# Altium PCB PROC114E3_BRD.PcbDoc (part 12 of 18)
Units mm, origin at the board's own origin, x right, y up, seen from the top; angles counter-clockwise.
Board outline 85 x 155.18 mm, 10 copper layers (TOP, L02_GND1, L03_SIG1, L04_GND2, L05_PWR1, L06_PWR2, L07_GND3, L08_SIG2, L09_GND4, BOTTOM), stack 1.134 mm thick; 1389 components, 1010 nets, 5137 pads, 3263 vias.
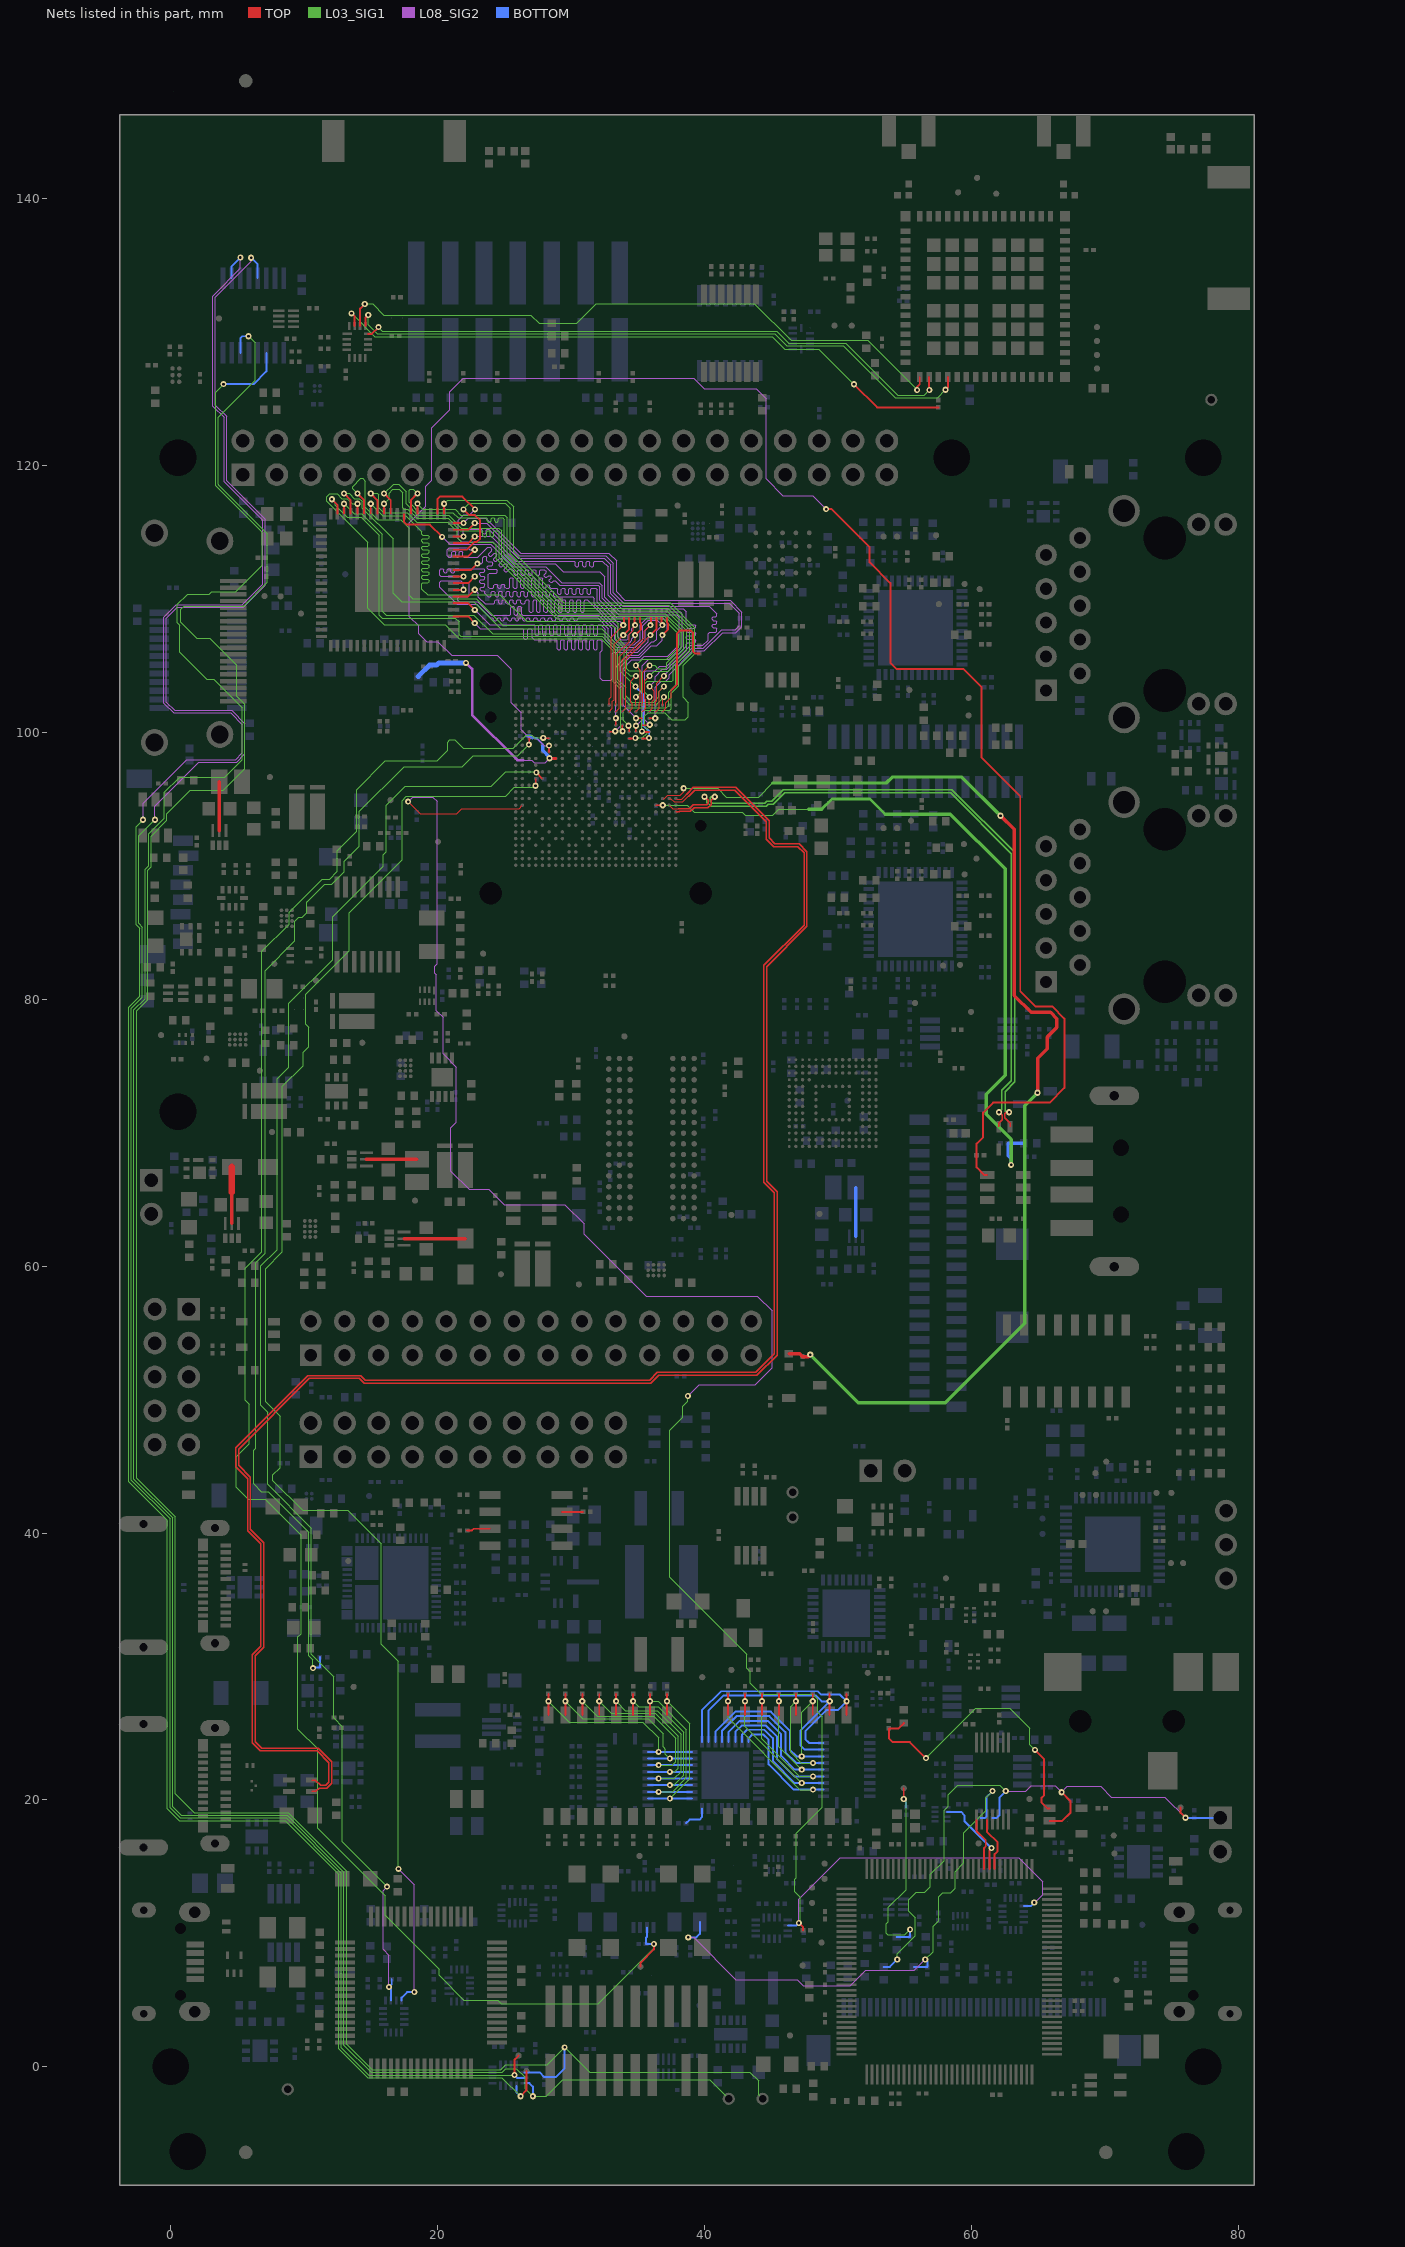
[diagram p20: the nets of this part, all layers, seen from the top]

## Via types
v1: diameter 0.457, hole 0.203, TOP to BOTTOM, 3263 vias

## Nets (pads, with @x,y where several pads share a name; then routed paths per layer and width w, separated by ;. In a path a pad name is that pad's centre, name@x,y a point inside that pad or via, vN(x,y) a via of type N, cw(c..) or ccw(c..) an arc to the next point about the centre after c; other vN are vias at no path point) (continued)
SOC_TRST#:  | length 155.1
  TOP w0.081: v1(17.801,94.811) 18.697,93.914 21.452,93.914 21.832,94.294 26.109,94.294 26.36,94.545
  TOP w0.147: v1(47.08,10.78) 47.384,10.475 47.384,10.221
  L03_SIG1 w0.091: v1(38.76,50.267) 38.76,49.891 38.368,49.498 38.368,48.664 37.408,47.704 37.408,36.683 43.169,30.922 43.169,29.855 43.438,29.586 43.438,28.749 44.257,27.93 48.117,27.93 48.504,27.543 48.504,26.578 48.844,26.237 48.844,19.456 46.873,17.485 46.873,14.18 46.763,14.069 46.763,13.129 47.182,12.71 47.182,10.881 v1(47.08,10.78)
  L08_SIG2 w0.091: v1(17.801,94.811) 18.137,95.147 19.655,95.147 19.976,94.826 19.976,82.659 19.806,82.489 19.806,81.945 19.906,81.845 19.906,79.159 20.425,78.64 20.425,75.917 21.419,74.923 21.419,70.796 20.987,70.364 20.987,67.129 22.367,65.748 23.852,65.748 24.984,64.617 29.549,64.617 30.988,63.178 30.988,62.402 35.638,57.752 43.975,57.752 45.085,56.642 45.085,52.4 43.815,51.13 39.624,51.13 v1(38.76,50.267) ; v1(47.08,10.78) 47.087,10.787 47.087,12.563 50.178,15.654 63.561,15.654 65.358,13.857 65.358,12.91 64.752,12.304 v1(64.721,12.304)
  BOTTOM w0.147: 46.248,10.598 46.899,10.598 v1(47.08,10.78) ; 63.934,12.04 64.457,12.04 v1(64.721,12.304)
SOC_UART0_RX_3V3:  | length 113.1
  TOP w0.102: v1(27.345,96.002) 27.361,96.017 27.361,96.545
  L03_SIG1 w0.091: v1(17.069,14.834) 17.069,30.378 15.773,31.674 15.773,39.199 13.281,41.692 9.891,41.692 7.659,43.923 7.659,44.359 8.202,44.902 8.202,48.77 7.14,49.832 7.14,59.822 8.38,61.062 8.38,73.471 9.932,75.023 9.932,76.043 10.339,76.45 10.339,77.901 10.124,78.117 10.124,80.382 13.367,83.625 13.367,86.472 17.349,90.453 17.349,94.89 17.673,95.214 25.099,95.214 25.764,95.88 27.223,95.88 v1(27.345,96.002)
  L08_SIG2 w0.091: v1(17.069,14.834) 18.264,13.639 v1(18.264,5.599)
  BOTTOM w0.147: 17.302,4.97 17.302,5.183 17.718,5.599 v1(18.264,5.599)
SOC_UART0_TX_3V3:  | length 111.4
  TOP w0.102: v1(27.403,97.003) 27.86,96.545
  L03_SIG1 w0.091: v1(16.219,13.498) 12.863,16.854 12.863,25.492 12.211,26.144 12.211,29.242 10.551,30.902 10.551,40.376 7.258,43.669 7.258,49.06 6.754,49.564 6.754,60.017 7.984,61.248 7.984,74.027 8.847,74.89 8.847,79.695 12.13,82.977 12.13,86.19 15.919,89.979 15.919,90.819 16.163,91.063 16.163,94.524 17.599,95.96 24.031,95.96 25.111,97.04 27.365,97.04 v1(27.403,97.003)
  L08_SIG2 w0.091: v1(16.219,13.498) 15.914,13.193 15.914,8.799 16.361,8.352 v1(16.361,5.975)
  BOTTOM w0.147: 16.502,4.97 16.502,5.833 v1(16.361,5.975) 16.569,6.183 16.569,6.572
SOC_UART1_CTS:  | length 184.5
  TOP w0.147: v1(26.227,-2.213) 26.664,-1.775 26.664,-0.323
  L03_SIG1 w0.091: v1(-2.069,93.457) -2.589,92.936 -2.589,85.599 -2.309,85.319 -2.309,80.23 -3.136,79.403 -3.136,43.851 -0.24,40.955 -0.24,19.333 0.643,18.45 8.574,18.45 12.603,14.421 12.603,1.339 14.76,-0.818 14.92,-0.818 24.832,-0.818 v1(26.227,-2.213)
  L08_SIG2 w0.091: v1(-2.069,93.457) -2.069,94.701 1.2,97.971 4.864,97.971 5.372,98.479 5.372,100.583 4.499,101.456 0.218,101.456 -0.511,102.186 -0.511,108.628 -0.398,108.741 ; -0.398,108.741 0.432,109.571 5.375,109.571 6.91,111.106 6.91,115.889 4.005,118.794 4.005,123.605 3.152,124.459 3.152,132.702 3.264,132.815 ; 3.265,132.815 5.221,134.771 v1(5.221,135.587)
  BOTTOM w0.147: 4.571,134.044 4.571,134.937 v1(5.221,135.587) ; 25.912,-1.425 25.912,-1.898 v1(26.227,-2.213)
SOC_UART1_CTS_BT:  | length 45.5
  TOP w0.147: 14.794,129.871 15.076,129.871 v1(15.578,130.373) ; 56.841,126.629 56.841,125.733 56.859,125.715 v1(56.859,125.664)
  L03_SIG1 w0.091: v1(15.578,130.373) 15.871,130.08 45.432,130.08 46.334,129.178 50.609,129.178 54.499,125.288 56.483,125.288 v1(56.859,125.664)
SOC_UART1_RTS:  | length 182.3
  TOP w0.147: v1(25.77,-0.625) 25.77,0.526 26.074,0.831
  L03_SIG1 w0.091: v1(-1.18,93.457) -2.396,92.24 -2.396,85.682 -2.116,85.401 -2.116,80.15 -2.943,79.323 -2.943,43.962 -0.047,41.066 -0.047,19.413 0.723,18.643 8.654,18.643 12.797,14.501 12.797,1.419 14.84,-0.625 v1(25.77,-0.625)
  L08_SIG2 w0.091: v1(-1.18,93.457) -1.18,94.481 2.117,97.778 4.944,97.778 5.565,98.399 5.565,100.663 4.579,101.65 0.298,101.65 -0.318,102.266 -0.318,108.548 0.512,109.377 5.455,109.377 7.103,111.026 7.103,115.969 4.198,118.874 4.198,123.685 3.345,124.539 3.345,132.622 6.035,135.312 v1(6.035,135.571)
  BOTTOM w0.147: v1(6.035,135.571) 6.521,135.085 6.521,134.044 ; v1(25.77,-0.625) 25.97,-0.825 26.512,-0.825
SOC_UART1_RTS_BT:  | length 48.1
  TOP w0.147: 14.194,130.471 14.194,131.767 v1(14.543,132.116) ; v1(55.945,125.664) 55.945,125.904 56.141,126.1 56.141,126.629
  L03_SIG1 w0.091: v1(14.543,132.116) 15.128,132.116 15.966,131.277 26.985,131.277 27.608,130.654 30.425,130.654 31.912,132.141 43.734,132.141 46.491,129.383 52.226,129.383 v1(55.945,125.664)
SOC_UART1_RX_BT:  | length 48.4
  TOP w0.147: 14.594,130.471 14.594,131.061 v1(14.811,131.277) ; v1(58.064,125.679) 58.24,125.855 58.24,126.629
  L03_SIG1 w0.091: v1(14.811,131.277) 14.811,130.55 15.495,129.866 45.285,129.866 46.178,128.973 50.424,128.973 54.301,125.095 57.48,125.095 v1(58.064,125.679)
SOC_UART1_RXD:  | length 188.3
  L03_SIG1 w0.091: v1(3.962,126.103) 3.364,125.504 3.364,118.502 3.389,118.478 3.901,117.964 6.858,115.008 6.858,112.522 4.877,110.541 3.079,110.541 2.901,110.363 1.27,110.363 0.508,109.601 0.508,108.228 0.685,108.051 0.685,105.995 2.709,103.971 3.217,103.971 5.355,101.833 5.355,97.938 4.064,96.647 0.668,96.647 -0.475,95.504 -0.475,93.586 -1.644,92.416 -1.644,90.004 -1.913,89.736 -1.913,80.049 -2.75,79.212 -2.75,44.042 0.146,41.146 0.146,19.493 0.803,18.836 8.734,18.836 12.99,14.581 12.99,1.622 15.029,-0.418 24.835,-0.418 25.1,-0.152 25.91,-0.152 26.563,-0.805 26.563,-1.634 v1(27.141,-2.213) 28.144,-2.213 29.366,-0.991 40.41,-0.991 41.822,-2.403
  BOTTOM w0.147: v1(3.962,126.103) 6.214,126.103 7.171,127.06 7.171,128.444 ; 26.512,-1.225 26.878,-1.225 27.141,-1.488 v1(27.141,-2.213)
SOC_UART1_TX_BT:  | length 47.9
  TOP w0.147: v1(13.559,131.411) 13.794,131.175 13.794,130.471 ; v1(51.209,126.092) 52.94,124.361 57.54,124.361
  L03_SIG1 w0.091: v1(13.559,131.411) 15.313,129.656 45.095,129.656 46.03,128.721 48.58,128.721 v1(51.209,126.092)
SOC_UART1_TXD:  | length 195.8
  L03_SIG1 w0.091: v1(5.839,129.692) 6.324,129.207 6.324,126.378 3.557,123.611 3.557,118.582 3.582,118.558 7.239,114.9 7.239,111.252 5.461,109.474 1.016,109.474 0.762,109.22 0.762,108.247 1.948,107.061 2.921,107.061 4.953,105.029 4.953,102.724 5.548,102.129 5.548,97.27 3.947,95.668 1.484,95.668 -0.282,93.902 -0.282,93.4 -1.451,92.23 -1.451,89.924 -1.72,89.656 -1.72,79.969 -2.557,79.132 -2.557,44.122 0.339,41.227 0.339,20.471 1.78,19.029 8.814,19.029 13.183,14.661 13.183,1.702 15.109,-0.225 24.755,-0.225 25.119,0.139 28.21,0.139 v1(29.529,1.458) 31.398,-0.411 43.41,-0.411 44.057,-1.058 44.057,-2.098 44.362,-2.403
  BOTTOM w0.147: 5.221,128.444 5.221,129.545 5.369,129.692 v1(5.839,129.692) ; 26.512,-0.425 27.653,-0.425 28.005,-0.777 28.869,-0.777 29.529,-0.117 v1(29.529,1.458)
SOC_USB0_DM:  | length 128.6
  TOP w0.081: 37.86,95.045 37.919,94.987 38.301,94.987 38.654,95.34 38.654,95.358 38.668,95.372
  TOP w0.107: 10.581,20.633 10.879,20.633 11.125,20.879 11.713,20.879 12.079,21.245 12.079,22.87 11.063,23.886 6.821,23.886 6.339,24.369 6.339,30.791 6.974,31.426 6.974,39.28 5.983,40.27 5.983,44.177 5.094,45.066 5.094,46.293 10.383,51.582 14.147,51.582 14.503,51.227 35.987,51.227 36.576,51.816 43.942,51.816 45.455,53.329 45.455,65.593 44.679,66.368 44.679,82.445 47.69,85.456 47.69,91.069 47.106,91.653 45.282,91.653 44.845,92.09 44.845,93.386 42.356,95.875 39.171,95.875 38.668,95.372
SOC_USB0_DP:  | length 128.5
  TOP w0.081: 37.361,95.045 37.488,95.045 37.739,94.794 38.381,94.794 38.79,95.204 38.809,95.204 38.823,95.218
  TOP w0.107: 10.581,21.483 10.851,21.483 11.237,21.097 11.622,21.097 11.861,21.335 11.861,22.779 10.972,23.668 6.73,23.668 6.12,24.278 6.12,30.882 6.755,31.517 6.755,39.189 5.765,40.179 5.765,44.086 4.876,44.975 4.876,46.384 10.293,51.801 14.238,51.801 14.594,51.445 35.896,51.445 36.485,52.034 43.851,52.034 45.236,53.419 45.236,65.502 44.461,66.277 44.461,82.536 47.471,85.546 47.471,90.978 47.015,91.435 45.191,91.435 44.627,92 44.627,93.295 42.266,95.656 39.262,95.656 38.823,95.218
SOC_USB0_DRVVBUS:  | length 86.7
  TOP w0.102: v1(26.843,99.083) 26.843,99.101 26.86,99.118 26.86,99.545
  L03_SIG1 w0.091: v1(10.664,29.876) 10.664,30.485 10.358,30.791 10.358,40.067 7.316,43.109 7.156,43.109 6.802,43.109 6.223,43.688 6.223,46.203 6.368,46.347 6.368,60.243 7.084,60.959 7.084,82.153 9.31,84.379 9.31,85.862 9.59,86.142 9.869,86.142 10.215,86.487 10.215,87.3 10.224,87.309 11.53,88.616 12.069,88.616 13.019,89.566 13.019,90.358 14.126,91.465 14.126,94.082 17.489,97.445 21.858,97.445 22.671,98.257 26.018,98.257 v1(26.843,99.083)
  BOTTOM w0.147: v1(10.664,29.876) 10.719,29.93 11.177,29.93 11.177,30.692
SOC_USB0_VBUS:  | length 91.3
  TOP w0.081: 36.86,95.045 37.002,95.045 37.253,95.295 38.2,95.295 38.444,95.54 v1(38.444,95.819)
  TOP w0.254: 46.338,53.436 47.144,53.436 47.354,53.225 47.79,53.225 v1(47.93,53.365) ; v1(62.191,93.754) 63.213,92.731 63.213,80.283 64.48,79.016 65.941,79.016 66.41,78.547 66.41,77.887 65.697,77.174 65.697,76.295 64.971,75.57 v1(64.971,72.997)
  L03_SIG1 w0.081: v1(38.444,95.819) 40.984,95.819 41.645,95.159 44.063,95.159 45.116,96.211
  L03_SIG1 w0.254: 45.116,96.211 53.619,96.211 54.065,96.657 59.287,96.657 v1(62.191,93.754) ; v1(47.93,53.365) 51.537,49.759 58.064,49.759 64.011,55.705 64.011,72.036 v1(64.971,72.997)
SOC_USB1_DM:  | length 50.6
  TOP w0.081: 37.361,94.545 37.611,94.295 38.058,94.295
  TOP w0.107: 38.058,94.295 38.868,94.295 39.152,94.579 40.178,94.579 40.284,94.686 40.284,94.91 v1(40.013,95.181) ; 62.059,70.452 62.059,70.72 62.306,70.968 62.306,71.305 v1(62.077,71.534)
  L03_SIG1 w0.094: v1(40.013,95.181) 40.19,95.004 40.19,94.757 40.497,94.45 44.619,94.45 44.769,94.6 45.143,94.6 46.019,95.476 58.448,95.476 63.014,90.91 63.014,73.91 62.288,73.185 62.288,71.745 v1(62.077,71.534)
SOC_USB1_DP:  | length 51
  TOP w0.107: 37.86,94.045 38.117,94.045 38.148,94.077 38.958,94.077 39.243,94.361 40.268,94.361 40.503,94.595 40.503,94.91 v1(40.775,95.181) ; v1(62.839,71.534) 62.631,71.534 62.525,71.427 62.525,71.105 62.908,70.721 62.908,70.452
  L03_SIG1 w0.094: v1(40.775,95.181) 40.531,95.181 40.437,95.087 40.437,94.859 40.599,94.697 44.517,94.697 44.667,94.846 45.041,94.846 45.917,95.722 58.55,95.722 63.26,91.012 63.26,73.808 62.535,73.083 62.535,71.628 62.629,71.534 v1(62.839,71.534)
SOC_USB1_DRVVBUS:  | length 138.7
  TOP w0.147: 28.36,98.545 v1(28.36,99.006) ; v1(49.128,116.731) 49.532,116.731 52.377,113.885 52.377,112.743 53.934,111.186 53.934,105.216 54.384,104.766 54.434,104.766 54.459,104.741 59.423,104.741 60.781,103.383 60.781,98.118 63.67,95.228 63.67,80.6 64.809,79.462 66.067,79.462 66.98,78.549 66.98,73.358 65.885,72.263 61.646,72.263 60.884,71.501 60.884,69.672 60.401,69.189 60.401,68.301 60.401,67.4 60.956,66.845 61.197,66.845
  L08_SIG2 w0.091: v1(28.36,99.006) 27.984,99.006 27.401,99.59 26.877,99.59 26.27,100.197 26.27,101.476 25.525,102.222 25.525,104.722 24.472,105.774 21.056,105.774 20.019,106.811 19.178,106.811 18.583,107.406 18.583,107.979 17.888,108.674 17.888,115.728 19.117,116.957 19.117,118.439 19.562,118.884 19.562,122.829 20.924,124.19 20.924,125.542 21.911,126.529 39.214,126.529 40.002,125.741 43.902,125.741 44.642,125.001 44.642,118.996 45.886,117.751 48.107,117.751 v1(49.128,116.731)
SOC_USB1_VBUS:  | length 55.6
  TOP w0.102: 36.361,94.545 v1(36.876,94.545)
  L03_SIG1 w0.091: v1(36.876,94.545) 38.702,94.545 39.232,94.016 42.836,94.016 43.056,93.796 45.115,93.796 45.569,94.249 47.804,94.249
  L03_SIG1 w0.203: 48.794,94.249 49.561,95.016 52.404,95.016 53.557,93.863
  L03_SIG1 w0.254: 47.804,94.249 48.794,94.249 ; 53.557,93.863 58.441,93.863 62.535,89.769 62.535,74.295 61.112,72.873 61.112,71.374 62.992,69.494 v1(62.992,67.589)
  BOTTOM w0.254: v1(62.992,67.589) 62.992,68.047 62.755,68.283 62.755,69.21 63.943,69.21
SOC_VDDSHV5_SDIO:  | length 18.6
  TOP w0.203: v1(28.391,98.062) 28.408,98.045 28.86,98.045
  L08_SIG2 w0.081: 26.415,97.921 27.053,97.921 27.237,97.737 28.066,97.737 v1(28.391,98.062)
  L08_SIG2 w0.203: v1(22.137,105.217) 22.6,104.755 22.6,101.299 25.977,97.921 26.415,97.921
  BOTTOM w0.102: 27.116,99.604 27.393,99.604 27.878,99.119 27.878,98.994
  BOTTOM w0.254: 26.761,99.731 26.989,99.731 27.116,99.604 ; 27.878,98.994 27.878,98.649 28.391,98.135 v1(28.391,98.062)
  BOTTOM w0.381: 18.556,104.204 19.391,105.039 19.928,105.039 20.105,105.217 v1(22.137,105.217)
SOC_VOUT0_DATA0:  | length 39.6
  TOP w0.102: 33.86,100.545 33.86,100.103 v1(33.877,100.087)
  TOP w0.147: 13.995,116.39 v1(13.995,117.139)
  L03_SIG1 w0.091: v1(13.995,117.139) 13.619,117.139 13.232,117.526 12.836,117.526 12.484,117.878 11.907,117.878 11.7,117.671 11.7,117.31 14.752,114.258 14.752,109.316 15.991,108.077 20.561,108.077 21.612,107.026 32.257,107.026 33.157,106.126 33.157,103.812 33.723,103.246 33.723,100.241 v1(33.877,100.087)
SOC_VOUT0_DATA1:  | length 38.6
  TOP w0.081: 34.36,101.545 34.611,101.796 34.611,102.147 34.479,102.278 34.479,103.852 v1(34.86,104.233)
  TOP w0.147: v1(13.995,117.907) 14.495,117.407 14.495,116.39
  L03_SIG1 w0.091: v1(13.995,117.907) 13.634,118.267 13.634,118.408 14.261,119.035 14.403,119.035 14.595,118.843 14.595,116.865 15.521,115.939 17.244,115.939 17.871,115.311 17.871,110.263 18.132,110.003 22.896,110.003 24.869,108.03 33.108,108.03 33.349,107.789 33.349,106.969 34.006,106.312 34.006,104.658 34.431,104.233 v1(34.86,104.233)
SOC_VOUT0_DATA2:  | length 39.4
  TOP w0.081: 34.86,102.045 v1(34.86,102.658)
  TOP w0.147: 14.995,116.39 v1(14.995,117.139)
  L03_SIG1 w0.091: v1(14.995,117.139) 15.881,116.252 17.605,116.252 18.819,115.039 18.819,114.862 18.899,114.781 19.283,114.781 19.363,114.701 19.363,114.587 19.283,114.507 18.899,114.507 18.819,114.427 18.819,114.313 18.899,114.233 19.283,114.233 19.363,114.152 19.363,114.039 19.283,113.958 18.899,113.958 18.819,113.878 18.819,113.764 18.899,113.684 19.283,113.684 19.363,113.604 19.363,113.49 19.283,113.41 18.899,113.41 18.819,113.329 18.819,113.216 18.899,113.135 19.283,113.135 19.363,113.055 19.363,112.941 19.283,112.861 18.899,112.861 18.819,112.781 18.819,112.667 18.899,112.587 19.283,112.587 19.363,112.507 19.363,112.393 19.283,112.312 18.899,112.312 18.819,112.232 18.819,112.118 18.899,112.038 19.283,112.038 19.363,111.958 19.363,111.844 19.283,111.764 18.899,111.764 18.819,111.684 18.819,111.57 18.899,111.489 19.283,111.489 19.363,111.409 19.363,111.295 19.283,111.215 18.899,111.215 18.819,111.135 18.819,110.748 19.257,110.31 24.678,110.31 26.669,108.32 33.368,108.32 33.544,108.144 33.544,107.033 34.189,106.388 34.189,104.777 34.34,104.625 35.208,104.625 35.299,104.534 35.299,103.097 v1(34.86,102.658)
SOC_VOUT0_DATA3:  | length 39.1
  TOP w0.081: 34.86,101.545 35.111,101.795 35.111,102.196 35.211,102.296 35.211,104.673 v1(34.86,105.023)
  TOP w0.147: v1(14.995,117.907) 15.495,117.407 15.495,116.39
  L03_SIG1 w0.091: v1(14.995,117.907) 15.501,117.907 15.592,117.815 15.592,116.849 15.963,116.478 17.746,116.478 18.454,115.77 20.757,115.77 21.494,115.033 21.494,114.607 21.831,114.27 24.157,114.27 24.417,114.01 24.417,113.015 28.918,108.513 36.932,108.513 38.072,107.372 38.072,106.386 37.178,105.492 35.329,105.492 v1(34.86,105.023)
SOC_VOUT0_DATA4:  | length 39
  TOP w0.081: 35.361,102.045 35.361,102.216 35.374,102.229 35.374,104.499 v1(35.898,105.023)
  TOP w0.147: 15.995,116.39 v1(15.995,117.139)
  L03_SIG1 w0.091: v1(15.995,117.139) 16.371,117.515 16.371,117.942 16.646,118.218 17.138,118.218 17.386,117.969 17.386,116.824 17.477,116.732 17.786,116.732 18.483,116.035 20.787,116.035 21.71,115.113 23.328,115.113 23.408,115.032 23.408,114.747 23.488,114.666 23.602,114.666 23.682,114.747 23.682,115.032 23.762,115.113 23.876,115.113 23.957,115.032 23.957,114.747 24.037,114.666 24.151,114.666 24.231,114.747 24.231,115.032 24.311,115.113 24.486,115.113 24.61,114.989 24.61,113.095 28.998,108.706 37.012,108.706 38.262,107.455 38.262,106.308 37.19,105.236 37.19,104.873 37.099,104.782 36.515,104.782 36.274,105.023 v1(35.898,105.023)
SOC_VOUT0_DATA5:  | length 38.7
  TOP w0.081: 35.361,101.545 35.612,101.796 35.612,102.443 35.547,102.507 35.547,103.882 v1(35.898,104.233)
  TOP w0.147: v1(15.995,117.907) 16.495,117.407 16.495,116.39
  L03_SIG1 w0.091: v1(15.995,117.907) 16.704,118.616 17.094,118.616 17.664,118.045 17.664,117.138 18.53,116.273 20.823,116.273 21.79,115.306 24.595,115.306 24.803,115.098 24.803,113.175 29.07,108.907 37.083,108.907 38.445,107.546 38.445,106.232 37.433,105.22 37.433,104.725 37.3,104.592 36.257,104.592 v1(35.898,104.233)
SOC_VOUT0_DATA6:  | length 36.4
  TOP w0.102: v1(34.877,101.061) 34.892,101.061 34.908,101.045 35.361,101.045
  TOP w0.147: 17.495,116.39 17.495,115.768 17.687,115.576 19.427,115.576 v1(20.344,114.659)
  L08_SIG2 w0.091: v1(20.344,114.659) 20.918,114.085 23.998,114.085 25.684,112.399 28.123,112.399 29.306,111.216 32.124,111.216 32.357,110.983 32.357,110.043 33.571,108.829 37.932,108.829 38.125,108.635 38.125,106.564 37.267,105.705 35.496,105.705 35.226,105.436 34.565,105.436 33.915,104.785 33.915,102.023 v1(34.877,101.061)
SOC_VOUT0_DATA7:  | length 38.8
  TOP w0.081: 35.86,102.045 35.86,102.615 v1(35.898,102.653)
  TOP w0.147: 17.995,116.39 17.995,117.407 v1(18.495,117.907)
  L03_SIG1 w0.091: v1(18.495,117.907) 18.166,118.235 17.963,118.235 17.871,118.144 17.871,117.236 18.642,116.466 21.156,116.466 21.538,116.084 23.653,116.084 23.734,116.004 23.734,115.848 23.814,115.767 23.928,115.767 24.008,115.848 24.008,116.004 24.088,116.084 24.202,116.084 24.282,116.004 24.282,115.848 24.362,115.767 24.476,115.767 24.556,115.848 24.556,116.004 24.637,116.084 24.877,116.084 25.015,115.945 25.015,113.269 29.164,109.121 37.166,109.121 38.664,107.623 38.664,106.155 37.658,105.149 37.658,103.926 37.566,103.835 35.711,103.835 35.539,103.663 35.539,103.011 v1(35.898,102.653)
SOC_VOUT0_DATA8:  | length 38.3
  TOP w0.102: v1(34.318,100.502) 34.318,100.485 34.36,100.443 34.36,100.045
  TOP w0.147: 18.495,116.39 v1(18.495,117.145)
  L03_SIG1 w0.091: v1(18.495,117.145) 18.907,116.732 21.31,116.732 21.748,116.294 25.022,116.294 25.222,116.093 25.222,113.335 29.237,109.32 37.25,109.32 38.884,107.686 38.884,106.079 37.871,105.066 37.871,103.563 37.317,103.009 37.317,102.012 37.156,101.852 34.148,101.852 33.906,101.61 33.906,100.914 v1(34.318,100.502)
SOC_VOUT0_DATA9:  | length 38.5
  TOP w0.102: 34.86,100.045 34.86,100.485 v1(34.877,100.502)
  TOP w0.147: 19.995,116.39 19.995,117.483 20.18,117.668 21.864,117.668 v1(22.815,116.718)
  L08_SIG2 w0.091: v1(22.815,116.718) 22.415,116.318 21.967,116.318 21.568,115.918 21.568,114.534 21.823,114.278 24.137,114.278 25.767,112.648 28.821,112.648 29.425,112.044 32.159,112.044 32.55,111.654 32.55,110.138 33.659,109.029 38.196,109.029 38.35,108.875 38.35,106.469 37.364,105.482 35.83,105.482 35.339,104.991 35.339,100.963 v1(34.877,100.502)
SOC_VOUT0_DATA10:  | length 39.4
  TOP w0.147: 20.494,116.39 v1(20.494,117.139) ; 34.36,99.545 34.786,99.545 v1(34.826,99.586)
  L03_SIG1 w0.091: v1(20.494,117.139) 20.774,117.419 25.205,117.419 25.696,116.927 25.696,113.488 29.456,109.728 37.423,109.728 39.291,107.86 39.291,105.912 38.398,105.019 38.398,102.633 38.806,102.225 38.806,101.183 38.557,100.935 37.563,100.935 37.012,101.486 35.783,101.486 35.548,101.251 35.548,100.431 35.7,100.278 35.7,99.949 35.337,99.586 v1(34.826,99.586)
SOC_VOUT0_DATA11:  | length 38.4
  TOP w0.102: 35.86,101.045 36.266,101.045 36.282,101.061 v1(36.318,101.061)
  TOP w0.147: 21.195,115.69 v1(21.944,115.69)
  L08_SIG2 w0.091: v1(21.944,115.69) 22.32,116.066 23.61,116.066 26.247,113.429 32.834,113.429 33.414,112.849 33.414,110.529 34.04,109.904 41.923,109.904 42.802,109.025 42.802,107.919 42.351,107.469 41.365,107.469 40.004,106.108 39.143,106.108 37.361,104.326 37.361,104.114 37.092,103.845 36.759,103.845 36.318,103.404 v1(36.318,101.061)

## Text inside footprints (layer, text, board x,y; h text height)
U12: PIN_NUMBER "AD13" at 37.081,96.045 h0.25 r90; PIN_NUMBER "AB12" at 36.081,95.545 h0.25 r90; PIN_NUMBER "AE13" at 37.581,96.045 h0.25 r90; PIN_NUMBER "AC13" at 36.581,96.045 h0.25 r90; PIN_NUMBER "M5" at 31.284,92.045 h0.25 r90; PIN_NUMBER "V2" at 34.284,90.545 h0.25 r90; PIN_NUMBER "M4" at 31.284,91.545 h0.25 r90; PIN_NUMBER "U1" at 33.784,90.045 h0.25 r90; PIN_NUMBER "N6" at 31.784,92.545 h0.25 r90; PIN_NUMBER "P2" at 32.284,90.545 h0.25 r90; PIN_NUMBER "T4" at 33.284,91.545 h0.25 r90; PIN_NUMBER "H6" at 29.284,92.545 h0.25 r90; PIN_NUMBER "F3" at 28.284,91.045 h0.25 r90; PIN_NUMBER "V6" at 34.284,92.545 h0.25 r90; PIN_NUMBER "V1" at 34.284,90.045 h0.25 r90; PIN_NUMBER "R5" at 32.784,92.045 h0.25 r90; PIN_NUMBER "R2" at 32.784,90.545 h0.25 r90; PIN_NUMBER "R3" at 32.784,91.045 h0.25 r90; PIN_NUMBER "G5" at 28.784,92.045 h0.25 r90; PIN_NUMBER "P5" at 32.284,92.045 h0.25 r90; PIN_NUMBER "R1" at 32.784,90.045 h0.25 r90; PIN_NUMBER "R6" at 32.784,92.545 h0.25 r90; PIN_NUMBER "K4" at 30.284,91.545 h0.25 r90; PIN_NUMBER "W2" at 34.784,90.545 h0.25 r90; PIN_NUMBER "T1" at 33.284,90.045 h0.25 r90; PIN_NUMBER "P4" at 32.284,91.545 h0.25 r90; PIN_NUMBER "L2" at 30.784,90.545 h0.25 r90; PIN_NUMBER "M1" at 31.284,90.045 h0.25 r90; PIN_NUMBER "P1" at 32.284,90.045 h0.25 r90; PIN_NUMBER "L5" at 30.784,92.045 h0.25 r90; PIN_NUMBER "K3" at 30.284,91.045 h0.25 r90; PIN_NUMBER "N3" at 31.784,91.045 h0.25 r90; PIN_NUMBER "K1" at 30.284,90.045 h0.25 r90; PIN_NUMBER "G2" at 28.784,90.545 h0.25 r90; PIN_NUMBER "H5" at 29.284,92.045 h0.25 r90; PIN_NUMBER "N1" at 31.784,90.045 h0.25 r90; PIN_NUMBER "E2" at 27.784,90.545 h0.25 r90; PIN_NUMBER "E3" at 27.784,91.045 h0.25 r90; PIN_NUMBER "M9" at 31.284,94.045 h0.25 r90; PIN_NUMBER "K9" at 30.284,94.045 h0.25 r90; PIN_NUMBER "L8" at 30.784,93.545 h0.25 r90; PIN_NUMBER "P9" at 32.284,94.045 h0.25 r90; PIN_NUMBER "R8" at 32.784,93.545 h0.25 r90; PIN_NUMBER "E1" at 27.784,90.045 h0.25 r90; PIN_NUMBER "U3" at 33.784,91.045 h0.25 r90; PIN_NUMBER "L6" at 30.784,92.545 h0.25 r90; PIN_NUMBER "L1" at 30.784,90.045 h0.25 r90; PIN_NUMBER "W1" at 34.784,90.045 h0.25 r90; PIN_NUMBER "H2" at 29.284,90.545 h0.25 r90; PIN_NUMBER "J2" at 29.784,90.545 h0.25 r90; PIN_NUMBER "U2" at 33.784,90.545 h0.25 r90; PIN_NUMBER "V5" at 34.284,92.045 h0.25 r90; PIN_NUMBER "Y1" at 35.284,90.045 h0.25 r90; PIN_NUMBER "J1" at 29.784,90.045 h0.25 r90; PIN_NUMBER "H1" at 29.284,90.045 h0.25 r90; PIN_NUMBER "G1" at 28.784,90.045 h0.25 r90; PIN_NUMBER "F1" at 28.284,90.045 h0.25 r90; PIN_NUMBER "W5" at 34.784,92.045 h0.25 r90; PIN_NUMBER "F4" at 28.284,91.545 h0.25 r90; PIN_NUMBER "F2" at 28.284,90.545 h0.25 r90; PIN_NUMBER "M2" at 31.284,90.545 h0.25 r90; PIN_NUMBER "U11" at 33.683,95.045 h0.25 r90; PIN_NUMBER "E7" at 27.784,93.045 h0.25 r90; PIN_NUMBER "U15" at 33.683,97.045 h0.25 r90; PIN_NUMBER "L14" at 30.683,96.545 h0.25 r90; PIN_NUMBER "H8" at 29.284,93.545 h0.25 r90; PIN_NUMBER "M16" at 31.183,97.545 h0.25 r90; PIN_NUMBER "L15" at 30.683,97.045 h0.25 r90; PIN_NUMBER "K17" at 30.183,98.045 h0.25 r90; PIN_NUMBER "N8" at 31.784,93.545 h0.25 r90; PIN_NUMBER "L12" at 30.683,95.545 h0.25 r90; PIN_NUMBER "J11" at 29.683,95.045 h0.25 r90; PIN_NUMBER "V8" at 34.284,93.545 h0.25 r90; PIN_NUMBER "R11" at 32.683,95.045 h0.25 r90; PIN_NUMBER "P17" at 32.183,98.045 h0.25 r90; PIN_NUMBER "J14" at 29.683,96.545 h0.25 r90; PIN_NUMBER "N11" at 31.683,95.045 h0.25 r90; PIN_NUMBER "V15" at 34.183,97.045 h0.25 r90; PIN_NUMBER "V17" at 34.183,98.045 h0.25 r90; PIN_NUMBER "R14" at 32.683,96.545 h0.25 r90; PIN_NUMBER "N13" at 31.683,96.045 h0.25 r90; PIN_NUMBER "P10" at 32.183,94.545 h0.25 r90; PIN_NUMBER "M10" at 31.183,94.545 h0.25 r90; PIN_NUMBER "V10" at 34.183,94.545 h0.25 r90; PIN_NUMBER "AE12" at 37.581,95.545 h0.25 r90; PIN_NUMBER "B25" at 26.183,102.045 h0.25 r90; PIN_NUMBER "Y2" at 35.284,90.545 h0.25 r90; PIN_NUMBER "N15" at 31.683,97.045 h0.25 r90; PIN_NUMBER "K13" at 30.183,96.045 h0.25 r90; PIN_NUMBER "M13" at 31.183,96.045 h0.25 r90; PIN_NUMBER "M12" at 31.183,95.545 h0.25 r90; PIN_NUMBER "M7" at 31.284,93.045 h0.25 r90; PIN_NUMBER "M8" at 31.284,93.545 h0.25 r90; PIN_NUMBER "P7" at 32.284,93.045 h0.25 r90; PIN_NUMBER "AA11" at 35.581,95.045 h0.25 r90; PIN_NUMBER "AD1" at 37.183,90.045 h0.25 r90; PIN_NUMBER "AE1" at 37.683,90.045 h0.25 r90; PIN_NUMBER "A1" at 25.784,90.045 h0.25 r90; PIN_NUMBER "K15" at 30.183,97.045 h0.25 r90; PIN_NUMBER "H16" at 29.183,97.545 h0.25 r90; PIN_NUMBER "V18" at 34.183,98.545 h0.25 r90; PIN_NUMBER "U19" at 33.683,99.045 h0.25 r90; PIN_NUMBER "W7" at 34.784,93.045 h0.25 r90; PIN_NUMBER "K19" at 30.183,99.045 h0.25 r90; PIN_NUMBER "L20" at 30.683,99.545 h0.25 r90; PIN_NUMBER "M18" at 31.183,98.545 h0.25 r90; PIN_NUMBER "M17" at 31.183,98.045 h0.25 r90; PIN_NUMBER "P13" at 32.183,96.045 h0.25 r90; PIN_NUMBER "R13" at 32.683,96.045 h0.25 r90; PIN_NUMBER "R18" at 32.683,98.545 h0.25 r90; PIN_NUMBER "T17" at 33.183,98.045 h0.25 r90; PIN_NUMBER "T18" at 33.183,98.545 h0.25 r90; PIN_NUMBER "R15" at 32.683,97.045 h0.25 r90; PIN_NUMBER "T16" at 33.183,97.545 h0.25 r90; PIN_NUMBER "T13" at 33.183,96.045 h0.25 r90; PIN_NUMBER "T14" at 33.183,96.545 h0.25 r90; PIN_NUMBER "T8" at 33.284,93.545 h0.25 r90; PIN_NUMBER "U8" at 33.784,93.545 h0.25 r90; PIN_NUMBER "V9" at 34.284,94.045 h0.25 r90; PIN_NUMBER "V11" at 34.183,95.045 h0.25 r90; PIN_NUMBER "V13" at 34.183,96.045 h0.25 r90; PIN_NUMBER "R20" at 32.683,99.545 h0.25 r90; PIN_NUMBER "V16" at 34.183,97.545 h0.25 r90; PIN_NUMBER "F13" at 28.183,96.045 h0.25 r90; PIN_NUMBER "G13" at 28.683,96.045 h0.25 r90; PIN_NUMBER "H13" at 29.183,96.045 h0.25 r90; PIN_NUMBER "J13" at 29.683,96.045 h0.25 r90; PIN_NUMBER "AB9" at 36.183,94.045 h0.25 r90; PIN_NUMBER "H18" at 29.183,98.545 h0.25 r90; PIN_NUMBER "G19" at 28.683,99.045 h0.25 r90; PIN_NUMBER "H20" at 29.183,99.545 h0.25 r90; PIN_NUMBER "A25" at 25.683,102.045 h0.25 r90; PIN_NUMBER "A24" at 25.683,101.545 h0.25 r90; PIN_NUMBER "AD12" at 37.081,95.545 h0.25 r90; PIN_NUMBER "AE24" at 37.581,101.545 h0.25 r90; PIN_NUMBER "AE25" at 37.581,102.045 h0.25 r90; PIN_NUMBER "AD16" at 37.081,97.545 h0.25 r90; PIN_NUMBER "AE16" at 37.581,97.545 h0.25 r90; PIN_NUMBER "AD9" at 37.183,94.045 h0.25 r90; PIN_NUMBER "AE8" at 37.683,93.545 h0.25 r90; PIN_NUMBER "K7" at 30.284,93.045 h0.25 r90; PIN_NUMBER "J7" at 29.784,93.045 h0.25 r90; PIN_NUMBER "AD25" at 37.081,102.045 h0.25 r90; PIN_NUMBER "A17" at 25.683,98.045 h0.25 r90; PIN_NUMBER "B17" at 26.183,98.045 h0.25 r90; PIN_NUMBER "J12" at 29.683,95.545 h0.25 r90; PIN_NUMBER "K16" at 30.183,97.545 h0.25 r90; PIN_NUMBER "N14" at 31.683,96.545 h0.25 r90; PIN_NUMBER "T10" at 33.183,94.545 h0.25 r90; PIN_NUMBER "R12" at 32.683,95.545 h0.25 r90; PIN_NUMBER "N12" at 31.683,95.545 h0.25 r90; PIN_NUMBER "P16" at 32.183,97.545 h0.25 r90; PIN_NUMBER "U14" at 33.683,96.545 h0.25 r90; PIN_NUMBER "W12" at 34.683,95.545 h0.25 r90; PIN_NUMBER "J8" at 29.784,93.545 h0.25 r90; PIN_NUMBER "J19" at 29.683,99.045 h0.25 r90; PIN_NUMBER "H11" at 29.183,95.045 h0.25 r90; PIN_NUMBER "G9" at 28.784,94.045 h0.25 r90; PIN_NUMBER "W17" at 34.683,98.045 h0.25 r90; PIN_NUMBER "K18" at 30.183,98.545 h0.25 r90; PIN_NUMBER "P19" at 32.183,99.045 h0.25 r90; PIN_NUMBER "H15" at 29.183,97.045 h0.25 r90; PIN_NUMBER "U7" at 33.784,93.045 h0.25 r90; PIN_NUMBER "W13" at 34.683,96.045 h0.25 r90; PIN_NUMBER "W9" at 34.784,94.045 h0.25 r90; PIN_NUMBER "W10" at 34.683,94.545 h0.25 r90; PIN_NUMBER "Y11" at 35.183,95.045 h0.25 r90; PIN_NUMBER "W14" at 34.683,96.545 h0.25 r90; PIN_NUMBER "H10" at 29.183,94.545 h0.25 r90; PIN_NUMBER "H17" at 29.183,98.045 h0.25 r90; PIN_NUMBER "W19" at 34.683,99.045 h0.25 r90; PIN_NUMBER "G14" at 28.683,96.545 h0.25 r90; PIN_NUMBER "F15" at 28.183,97.045 h0.25 r90; PIN_NUMBER "F11" at 28.183,95.045 h0.25 r90; PIN_NUMBER "G12" at 28.683,95.545 h0.25 r90; PIN_NUMBER "N18" at 31.683,98.545 h0.25 r90; PIN_NUMBER "P18" at 32.183,98.545 h0.25 r90; PIN_NUMBER "K10" at 30.183,94.545 h0.25 r90; PIN_NUMBER "H9" at 29.284,94.045 h0.25 r90; PIN_NUMBER "W16" at 34.683,97.545 h0.25 r90; PIN_NUMBER "T19" at 33.183,99.045 h0.25 r90; PIN_NUMBER "U18" at 33.683,98.545 h0.25 r90; PIN_NUMBER "Y13" at 35.183,96.045 h0.25 r90; PIN_NUMBER "G10" at 28.683,94.545 h0.25 r90; PIN_NUMBER "T7" at 33.284,93.045 h0.25 r90; PIN_NUMBER "J18" at 29.683,98.545 h0.25 r90; PIN_NUMBER "L18" at 30.683,98.545 h0.25 r90; PIN_NUMBER "M19" at 31.183,99.045 h0.25 r90; PIN_NUMBER "G17" at 28.683,98.045 h0.25 r90; PIN_NUMBER "G7" at 28.784,93.045 h0.25 r90; PIN_NUMBER "T9" at 33.284,94.045 h0.25 r90; PIN_NUMBER "G16" at 28.683,97.545 h0.25 r90; PIN_NUMBER "L11" at 30.683,95.045 h0.25 r90; PIN_NUMBER "D1" at 27.284,90.045 h0.25 r90; PIN_NUMBER "B5" at 26.284,92.045 h0.25 r90; PIN_NUMBER "B11" at 26.183,95.045 h0.25 r90; PIN_NUMBER "B10" at 26.183,94.545 h0.25 r90; PIN_NUMBER "A23" at 25.683,101.045 h0.25 r90; PIN_NUMBER "A7" at 25.784,93.045 h0.25 r90; PIN_NUMBER "C11" at 26.683,95.045 h0.25 r90; PIN_NUMBER "B2" at 26.284,90.545 h0.25 r90; PIN_NUMBER "E12" at 27.683,95.545 h0.25 r90; PIN_NUMBER "D10" at 27.183,94.545 h0.25 r90; PIN_NUMBER "B3" at 26.284,91.045 h0.25 r90; PIN_NUMBER "A10" at 25.683,94.545 h0.25 r90; PIN_NUMBER "B12" at 26.183,95.545 h0.25 r90; PIN_NUMBER "A3" at 25.784,91.045 h0.25 r90; PIN_NUMBER "AD20" at 37.081,99.545 h0.25 r90; PIN_NUMBER "B6" at 26.284,92.545 h0.25 r90; PIN_NUMBER "AD17" at 37.081,98.045 h0.25 r90; PIN_NUMBER "B23" at 26.183,101.045 h0.25 r90; PIN_NUMBER "D9" at 27.284,94.045 h0.25 r90; PIN_NUMBER "E8" at 27.784,93.545 h0.25 r90; PIN_NUMBER "A6" at 25.784,92.545 h0.25 r90; PIN_NUMBER "A5" at 25.784,92.045 h0.25 r90; PIN_NUMBER "AB17" at 36.081,98.045 h0.25 r90; PIN_NUMBER "AE17" at 37.581,98.045 h0.25 r90; PIN_NUMBER "AE20" at 37.581,99.545 h0.25 r90; PIN_NUMBER "C24" at 26.683,101.545 h0.25 r90; PIN_NUMBER "AD19" at 37.081,99.045 h0.25 r90; PIN_NUMBER "AB16" at 36.081,97.545 h0.25 r90; PIN_NUMBER "AD18" at 37.081,98.545 h0.25 r90; PIN_NUMBER "AC17" at 36.581,98.045 h0.25 r90; PIN_NUMBER "AA15" at 35.581,97.045 h0.25 r90; PIN_NUMBER "AE18" at 37.581,98.545 h0.25 r90; PIN_NUMBER "A9" at 25.784,94.045 h0.25 r90; PIN_NUMBER "AA2" at 35.683,90.545 h0.25 r90; PIN_NUMBER "AC2" at 36.683,90.545 h0.25 r90; PIN_NUMBER "F22" at 28.183,100.545 h0.25 r90; PIN_NUMBER "AB20" at 36.081,99.545 h0.25 r90; PIN_NUMBER "D25" at 27.183,102.045 h0.25 r90; PIN_NUMBER "AA19" at 35.581,99.045 h0.25 r90; PIN_NUMBER "A22" at 25.683,100.545 h0.25 r90; PIN_NUMBER "B21" at 26.183,100.045 h0.25 r90; PIN_NUMBER "AA1" at 35.683,90.045 h0.25 r90; PIN_NUMBER "AD2" at 37.183,90.545 h0.25 r90; PIN_NUMBER "D22" at 27.183,100.545 h0.25 r90; PIN_NUMBER "AC1" at 36.683,90.045 h0.25 r90; PIN_NUMBER "AE23" at 37.581,101.045 h0.25 r90; PIN_NUMBER "B22" at 26.183,100.545 h0.25 r90; PIN_NUMBER "Y18" at 35.183,98.545 h0.25 r90; PIN_NUMBER "AB1" at 36.183,90.045 h0.25 r90; PIN_NUMBER "C21" at 26.683,100.045 h0.25 r90; PIN_NUMBER "AA3" at 35.683,91.045 h0.25 r90; PIN_NUMBER "Y3" at 35.284,91.045 h0.25 r90; PIN_NUMBER "A21" at 25.683,100.045 h0.25 r90; PIN_NUMBER "Y4" at 35.284,91.545 h0.25 r90; PIN_NUMBER "D17" at 27.183,98.045 h0.25 r90; PIN_NUMBER "AA18" at 35.581,98.545 h0.25 r90; PIN_NUMBER "AB2" at 36.183,90.545 h0.25 r90; PIN_NUMBER "AD22" at 37.081,100.545 h0.25 r90; PIN_NUMBER "AE22" at 37.581,100.545 h0.25 r90; PIN_NUMBER "AD23" at 37.081,101.045 h0.25 r90; PIN_NUMBER "AD21" at 37.081,100.045 h0.25 r90; PIN_NUMBER "AC20" at 36.581,99.545 h0.25 r90; PIN_NUMBER "AC21" at 36.581,100.045 h0.25 r90; PIN_NUMBER "G24" at 28.683,101.545 h0.25 r90; PIN_NUMBER "F23" at 28.183,101.045 h0.25 r90; PIN_NUMBER "H24" at 29.183,101.545 h0.25 r90; PIN_NUMBER "E25" at 27.683,102.045 h0.25 r90; PIN_NUMBER "F24" at 28.183,101.545 h0.25 r90; PIN_NUMBER "J24" at 29.683,101.545 h0.25 r90; PIN_NUMBER "F25" at 28.183,102.045 h0.25 r90; PIN_NUMBER "J23" at 29.683,101.045 h0.25 r90; PIN_NUMBER "J25" at 29.683,102.045 h0.25 r90; PIN_NUMBER "H25" at 29.183,102.045 h0.25 r90; PIN_NUMBER "P24" at 32.183,101.545 h0.25 r90; PIN_NUMBER "H21" at 29.183,100.045 h0.25 r90; PIN_NUMBER "G21" at 28.683,100.045 h0.25 r90; PIN_NUMBER "B7" at 26.284,93.045 h0.25 r90; PIN_NUMBER "J22" at 29.683,100.545 h0.25 r90; PIN_NUMBER "P22" at 32.183,100.545 h0.25 r90; PIN_NUMBER "N23" at 31.683,101.045 h0.25 r90; PIN_NUMBER "C2" at 26.784,90.545 h0.25 r90; PIN_NUMBER "B4" at 26.284,91.545 h0.25 r90; PIN_NUMBER "L25" at 30.683,102.045 h0.25 r90; PIN_NUMBER "N25" at 31.683,102.045 h0.25 r90; PIN_NUMBER "C1" at 26.784,90.045 h0.25 r90; PIN_NUMBER "D14" at 27.183,96.545 h0.25 r90; PIN_NUMBER "P21" at 32.183,100.045 h0.25 r90; PIN_NUMBER "D2" at 27.284,90.545 h0.25 r90; PIN_NUMBER "N24" at 31.683,101.545 h0.25 r90; PIN_NUMBER "M25" at 31.183,102.045 h0.25 r90; PIN_NUMBER "R23" at 32.683,101.045 h0.25 r90; PIN_NUMBER "A12" at 25.683,95.545 h0.25 r90; PIN_NUMBER "E11" at 27.683,95.045 h0.25 r90; PIN_NUMBER "F20" at 28.183,99.545 h0.25 r90; PIN_NUMBER "E14" at 27.683,96.545 h0.25 r90; PIN_NUMBER "B9" at 26.284,94.045 h0.25 r90; PIN_NUMBER "C5" at 26.784,92.045 h0.25 r90; PIN_NUMBER "A4" at 25.784,91.545 h0.25 r90; PIN_NUMBER "C6" at 26.784,92.545 h0.25 r90; PIN_NUMBER "C20" at 26.683,99.545 h0.25 r90; PIN_NUMBER "AE11" at 37.581,95.045 h0.25 r90; PIN_NUMBER "AB10" at 36.081,94.545 h0.25 r90; PIN_NUMBER "F18" at 28.183,98.545 h0.25 r90; PIN_NUMBER "AD10" at 37.081,94.545 h0.25 r90; PIN_NUMBER "AC11" at 36.581,95.045 h0.25 r90; PIN_NUMBER "E21" at 27.683,100.045 h0.25 r90; PIN_NUMBER "AE9" at 37.683,94.045 h0.25 r90; PIN_NUMBER "B16" at 26.183,97.545 h0.25 r90; PIN_NUMBER "AD11" at 37.081,95.045 h0.25 r90; PIN_NUMBER "A16" at 25.683,97.545 h0.25 r90; PIN_NUMBER "AC15" at 36.581,97.045 h0.25 r90; PIN_NUMBER "AE14" at 37.581,96.545 h0.25 r90; PIN_NUMBER "AE15" at 37.581,97.045 h0.25 r90; PIN_NUMBER "AD15" at 37.081,97.045 h0.25 r90; PIN_NUMBER "D6" at 27.284,92.545 h0.25 r90; PIN_NUMBER "AA14" at 35.581,96.545 h0.25 r90; PIN_NUMBER "A8" at 25.784,93.545 h0.25 r90; PIN_NUMBER "D12" at 27.183,95.545 h0.25 r90; PIN_NUMBER "D4" at 27.284,91.545 h0.25 r90; PIN_NUMBER "AB14" at 36.081,96.545 h0.25 r90; PIN_NUMBER "E5" at 27.784,92.045 h0.25 r90; PIN_NUMBER "C9" at 26.784,94.045 h0.25 r90; PIN_NUMBER "A11" at 25.683,95.045 h0.25 r90; PIN_NUMBER "AD14" at 37.081,96.545 h0.25 r90; PIN_NUMBER "Y6" at 35.284,92.545 h0.25 r90; PIN_NUMBER "AB4" at 36.183,91.545 h0.25 r90; PIN_NUMBER "AA8" at 35.683,93.545 h0.25 r90; PIN_NUMBER "AC25" at 36.581,102.045 h0.25 r90; PIN_NUMBER "AA7" at 35.683,93.045 h0.25 r90; PIN_NUMBER "AA5" at 35.683,92.045 h0.25 r90; PIN_NUMBER "AD3" at 37.183,91.045 h0.25 r90; PIN_NUMBER "Y8" at 35.284,93.545 h0.25 r90; PIN_NUMBER "AB6" at 36.183,92.545 h0.25 r90; PIN_NUMBER "AC5" at 36.683,92.045 h0.25 r90; PIN_NUMBER "AC6" at 36.683,92.545 h0.25 r90; PIN_NUMBER "AD6" at 37.183,92.545 h0.25 r90; PIN_NUMBER "AE5" at 37.683,92.045 h0.25 r90; PIN_NUMBER "AD7" at 37.183,93.045 h0.25 r90; PIN_NUMBER "AE6" at 37.683,92.545 h0.25 r90; PIN_NUMBER "B24" at 26.183,101.545 h0.25 r90; PIN_NUMBER "AE7" at 37.683,93.045 h0.25 r90; PIN_NUMBER "C25" at 26.683,102.045 h0.25 r90; PIN_NUMBER "AD8" at 37.183,93.545 h0.25 r90; PIN_NUMBER "E23" at 27.683,101.045 h0.25 r90; PIN_NUMBER "AE3" at 37.683,91.045 h0.25 r90; PIN_NUMBER "D24" at 27.183,101.545 h0.25 r90; PIN_NUMBER "AD4" at 37.183,91.545 h0.25 r90; PIN_NUMBER "AD5" at 37.183,92.045 h0.25 r90; PIN_NUMBER "AE4" at 37.683,91.545 h0.25 r90; PIN_NUMBER "AC24" at 36.581,101.545 h0.25 r90; PIN_NUMBER "AB24" at 36.081,101.545 h0.25 r90; PIN_NUMBER "AA25" at 35.581,102.045 h0.25 r90; PIN_NUMBER "Y24" at 35.183,101.545 h0.25 r90; PIN_NUMBER "V21" at 34.183,100.045 h0.25 r90; PIN_NUMBER "W24" at 34.683,101.545 h0.25 r90; PIN_NUMBER "E18" at 27.683,98.545 h0.25 r90; PIN_NUMBER "Y25" at 35.183,102.045 h0.25 r90; PIN_NUMBER "B18" at 26.183,98.545 h0.25 r90; PIN_NUMBER "W25" at 34.683,102.045 h0.25 r90; PIN_NUMBER "Y23" at 35.183,101.045 h0.25 r90; PIN_NUMBER "W21" at 34.683,100.045 h0.25 r90; PIN_NUMBER "B20" at 26.183,99.545 h0.25 r90; PIN_NUMBER "Y20" at 35.183,99.545 h0.25 r90; PIN_NUMBER "L21" at 30.683,100.045 h0.25 r90; PIN_NUMBER "B13" at 26.183,96.045 h0.25 r90; PIN_NUMBER "B14" at 26.183,96.545 h0.25 r90; PIN_NUMBER "A14" at 25.683,96.545 h0.25 r90; PIN_NUMBER "N20" at 31.683,99.545 h0.25 r90; PIN_NUMBER "L24" at 30.683,101.545 h0.25 r90; PIN_NUMBER "M21" at 31.183,100.045 h0.25 r90; PIN_NUMBER "E15" at 27.683,97.045 h0.25 r90; PIN_NUMBER "C15" at 26.683,97.045 h0.25 r90; PIN_NUMBER "V25" at 34.183,102.045 h0.25 r90; PIN_NUMBER "G25" at 28.683,102.045 h0.25 r90; PIN_NUMBER "K25" at 30.183,102.045 h0.25 r90; PIN_NUMBER "A13" at 25.683,96.045 h0.25 r90; PIN_NUMBER "C13" at 26.683,96.045 h0.25 r90; PIN_NUMBER "M22" at 31.183,100.545 h0.25 r90; PIN_NUMBER "E24" at 27.683,101.545 h0.25 r90; PIN_NUMBER "AE19" at 37.581,99.045 h0.25 r90; PIN_NUMBER "C17" at 26.683,98.045 h0.25 r90; PIN_NUMBER "AE21" at 37.581,100.045 h0.25 r90; PIN_NUMBER "U22" at 33.683,100.545 h0.25 r90; PIN_NUMBER "D16" at 27.183,97.545 h0.25 r90; PIN_NUMBER "P25" at 32.183,102.045 h0.25 r90; PIN_NUMBER "AE10" at 37.581,94.545 h0.25 r90; PIN_NUMBER "AC9" at 36.683,94.045 h0.25 r90; PIN_NUMBER "F8" at 28.284,93.545 h0.25 r90; PIN_NUMBER "V24" at 34.183,101.545 h0.25 r90; PIN_NUMBER "V20" at 34.183,99.545 h0.25 r90; PIN_NUMBER "AA23" at 35.581,101.045 h0.25 r90; PIN_NUMBER "AB25" at 36.081,102.045 h0.25 r90; PIN_NUMBER "AA24" at 35.581,101.545 h0.25 r90; PIN_NUMBER "Y22" at 35.183,100.545 h0.25 r90; PIN_NUMBER "AA21" at 35.581,100.045 h0.25 r90; PIN_NUMBER "K24" at 30.183,101.545 h0.25 r90; PIN_NUMBER "K22" at 30.183,100.545 h0.25 r90; PIN_NUMBER "A19" at 25.683,99.045 h0.25 r90; PIN_NUMBER "B19" at 26.183,99.045 h0.25 r90; PIN_NUMBER "A20" at 25.683,99.545 h0.25 r90; PIN_NUMBER "E19" at 27.683,99.045 h0.25 r90; PIN_NUMBER "Y15" at 35.183,97.045 h0.25 r90; PIN_NUMBER "AA12" at 35.581,95.545 h0.25 r90; PIN_NUMBER "J4" at 29.784,91.545 h0.25 r90; PIN_NUMBER "T2" at 33.284,90.545 h0.25 r90; PIN_NUMBER "N2" at 31.784,90.545 h0.25 r90; PIN_NUMBER "K2" at 30.284,90.545 h0.25 r90; PIN_NUMBER "U4" at 33.784,91.545 h0.25 r90; PIN_NUMBER "J3" at 29.784,91.045 h0.25 r90; PIN_NUMBER "B8" at 26.284,93.545 h0.25 r90; PIN_NUMBER "A18" at 25.683,98.545 h0.25 r90; PIN_NUMBER "B1" at 26.284,90.045 h0.25 r90; PIN_NUMBER "AE2" at 37.683,90.545 h0.25 r90; PIN_NUMBER "F6" at 28.284,92.545 h0.25 r90; PIN_NUMBER "A2" at 25.784,90.545 h0.25 r90; PIN_NUMBER "M24" at 31.183,101.545 h0.25 r90; PIN_NUMBER "U23" at 33.683,101.045 h0.25 r90; PIN_NUMBER "R24" at 32.683,101.545 h0.25 r90; PIN_NUMBER "R25" at 32.683,102.045 h0.25 r90; PIN_NUMBER "T25" at 33.183,102.045 h0.25 r90; PIN_NUMBER "R21" at 32.683,100.045 h0.25 r90; PIN_NUMBER "T22" at 33.183,100.545 h0.25 r90; PIN_NUMBER "T24" at 33.183,101.545 h0.25 r90; PIN_NUMBER "U25" at 33.683,102.045 h0.25 r90; PIN_NUMBER "U24" at 33.683,101.545 h0.25 r90; PIN_NUMBER "A15" at 25.683,97.045 h0.25 r90; PIN_NUMBER "L23" at 30.683,101.045 h0.25 r90; PIN_NUMBER "D20" at 27.183,99.545 h0.25 r90; PIN_NUMBER "B15" at 26.183,97.045 h0.25 r90; PIN_NUMBER "AD24" at 37.081,101.545 h0.25 r90; PIN_NUMBER "AB22" at 36.081,100.545 h0.25 r90; Bottom Overlay "25" at 22.925,101.525 h0.64; Bottom Overlay "15" at 22.849,96.395 h0.64; Bottom Overlay "7" at 22.404,92.864 h0.64; Bottom Overlay "1" at 22.556,89.968 h0.64; Bottom Overlay "AE" at 39.809,84.052 h0.64; Bottom Overlay "AC" at 38.285,84.052 h0.64; Bottom Overlay "AA" at 36.761,84.179 h0.64; Bottom Overlay "W" at 35.276,84.179 h0.64; Bottom Overlay "U" at 34.26,84.179 h0.64; Bottom Overlay "R" at 33.117,84.179 h0.64; Bottom Overlay "N" at 32.228,84.179 h0.64; Bottom Overlay "L" at 31.085,84.179 h0.64; Bottom Overlay "J" at 30.196,84.052 h0.64; Bottom Overlay "G" at 29.053,84.052 h0.64; Bottom Overlay "E" at 28.164,84.052 h0.64; Bottom Overlay "C" at 27.275,84.052 h0.64; Bottom Overlay "A" at 25.601,84.128 h0.64
U13: PIN_NUMBER "4" at -2.194,92.265 h0.25 r270; PIN_NUMBER "2" at -1.244,94.965 h0.25 r270; PIN_NUMBER "1" at -0.294,94.965 h0.25 r270; PIN_NUMBER "6" at -0.294,92.265 h0.25 r270; PIN_NUMBER "5" at -1.244,92.265 h0.25 r270; PIN_NUMBER "3" at -2.194,94.965 h0.25 r270; Top Overlay "6" at 0.319,91.814 h0.51; Top Overlay "4" at -2.348,91.027 h0.51; Top Overlay "3" at -3.009,94.684 h0.51
U14: PIN_NUMBER "4" at 4.171,92.641 h0.25 r90; PIN_NUMBER "6" at 3.172,92.641 h0.25 r90; PIN_NUMBER "2" at 3.672,91.541 h0.25 r90; PIN_NUMBER "1" at 3.172,91.541 h0.25 r90; PIN_NUMBER "5" at 3.672,92.641 h0.25 r90; PIN_NUMBER "3" at 4.171,91.541 h0.25 r90; Top Overlay "6" at 1.587,92.647 h0.64; Top Overlay "3" at 4.255,90.614 h0.64
U15: PIN_NUMBER "4" at 3.545,88.085 h0.25 r270; PIN_NUMBER "9" at 5.111,86.84 h0.25 r270; PIN_NUMBER "5" at 3.545,87.45 h0.25 r270; PIN_NUMBER "8" at 4.603,86.843 h0.25 r270; PIN_NUMBER "7" at 4.031,86.843 h0.25 r270; PIN_NUMBER "3" at 4.095,88.108 h0.25 r270; PIN_NUMBER "6" at 3.587,86.84 h0.25 r270; PIN_NUMBER "2" at 4.603,88.108 h0.25 r270; PIN_NUMBER "1" at 5.111,88.11 h0.25 r270; PIN_NUMBER "10" at 5.035,87.348 h0.25 r270; Top Overlay "10" at 6.313,87.445 h0.51; Top Overlay "9" at 5.843,85.667 h0.51; Top Overlay "6" at 2.567,86.683 h0.51; Top Overlay "5" at 2.592,87.471 h0.51; Top Overlay "4" at 3.024,88.944 h0.51
U16: PIN_NUMBER "B2" at 8.498,85.996 h0.25 r180; PIN_NUMBER "C2" at 8.498,86.396 h0.25 r180; PIN_NUMBER "C1" at 8.898,86.396 h0.25 r180; PIN_NUMBER "A2" at 8.498,85.596 h0.25 r180; PIN_NUMBER "A1" at 8.898,85.596 h0.25 r180; PIN_NUMBER "B1" at 8.898,85.996 h0.25 r180; PIN_NUMBER "B3" at 8.098,85.996 h0.25 r180; PIN_NUMBER "C3" at 8.098,86.396 h0.25 r180; PIN_NUMBER "A3" at 8.098,85.596 h0.25 r180; PIN_NUMBER "D2" at 8.498,86.796 h0.25 r180; PIN_NUMBER "D1" at 8.898,86.796 h0.25 r180; PIN_NUMBER "D3" at 8.098,86.796 h0.25 r180; DISPLAY_BOTTOM "D" at -13.232,81.37 h0.51 r180; DISPLAY_BOTTOM "C" at -8.127,84.291 h0.51 r180; DISPLAY_BOTTOM "B" at -13.232,80.481 h0.51 r180; DISPLAY_BOTTOM "A" at -8.127,83.275 h0.51 r180; DISPLAY_BOTTOM "2" at -9.524,81.624 h0.51 r180; DISPLAY_BOTTOM "3" at -9.905,82.386 h0.51 r180; DISPLAY_BOTTOM "1" at -9.016,82.386 h0.51 r180
U17: PIN_NUMBER "8" at 17.038,82.815 h0.25 r90; PIN_NUMBER "16" at 12.386,88.415 h0.25 r90; PIN_NUMBER "4" at 14.438,82.815 h0.25 r90; PIN_NUMBER "13" at 14.336,88.415 h0.25 r90; PIN_NUMBER "3" at 13.788,82.815 h0.25 r90; PIN_NUMBER "6" at 15.738,82.815 h0.25 r90; PIN_NUMBER "15" at 13.036,88.415 h0.25 r90; PIN_NUMBER "12" at 14.986,88.415 h0.25 r90; PIN_NUMBER "9" at 17.038,88.415 h0.25 r90; PIN_NUMBER "7" at 16.388,82.815 h0.25 r90; PIN_NUMBER "14" at 13.686,88.415 h0.25 r90; PIN_NUMBER "5" at 15.088,82.815 h0.25 r90; PIN_NUMBER "11" at 15.636,88.415 h0.25 r90; PIN_NUMBER "2" at 13.138,82.815 h0.25 r90; PIN_NUMBER "10" at 16.286,88.415 h0.25 r90; PIN_NUMBER "1" at 12.488,82.815 h0.25 r90; Top Overlay "16" at 11.266,88.284 h0.51; Top Overlay "9" at 16.816,89.503 h0.51; Top Overlay "8" at 17.277,81.36 h0.51 r90
U18: PIN_NUMBER "3" at 8.874,82.67 h0.25; PIN_NUMBER "2" at 8.874,83.17 h0.25; PIN_NUMBER "4" at 10.254,82.67 h0.25; PIN_NUMBER "1" at 8.874,83.67 h0.25; PIN_NUMBER "5" at 10.254,83.67 h0.25; Top Overlay "3" at 8.764,81.476 h0.51; Top Overlay "4" at 10.872,82.213 h0.51; Top Overlay "5" at 10.644,84.651 h0.51